# KiCad board toomanykeys_left_candidate.kicad_pcb
title: toomanykeys_left; date: 2025-06-08; rev: 0.1; company: huntercook
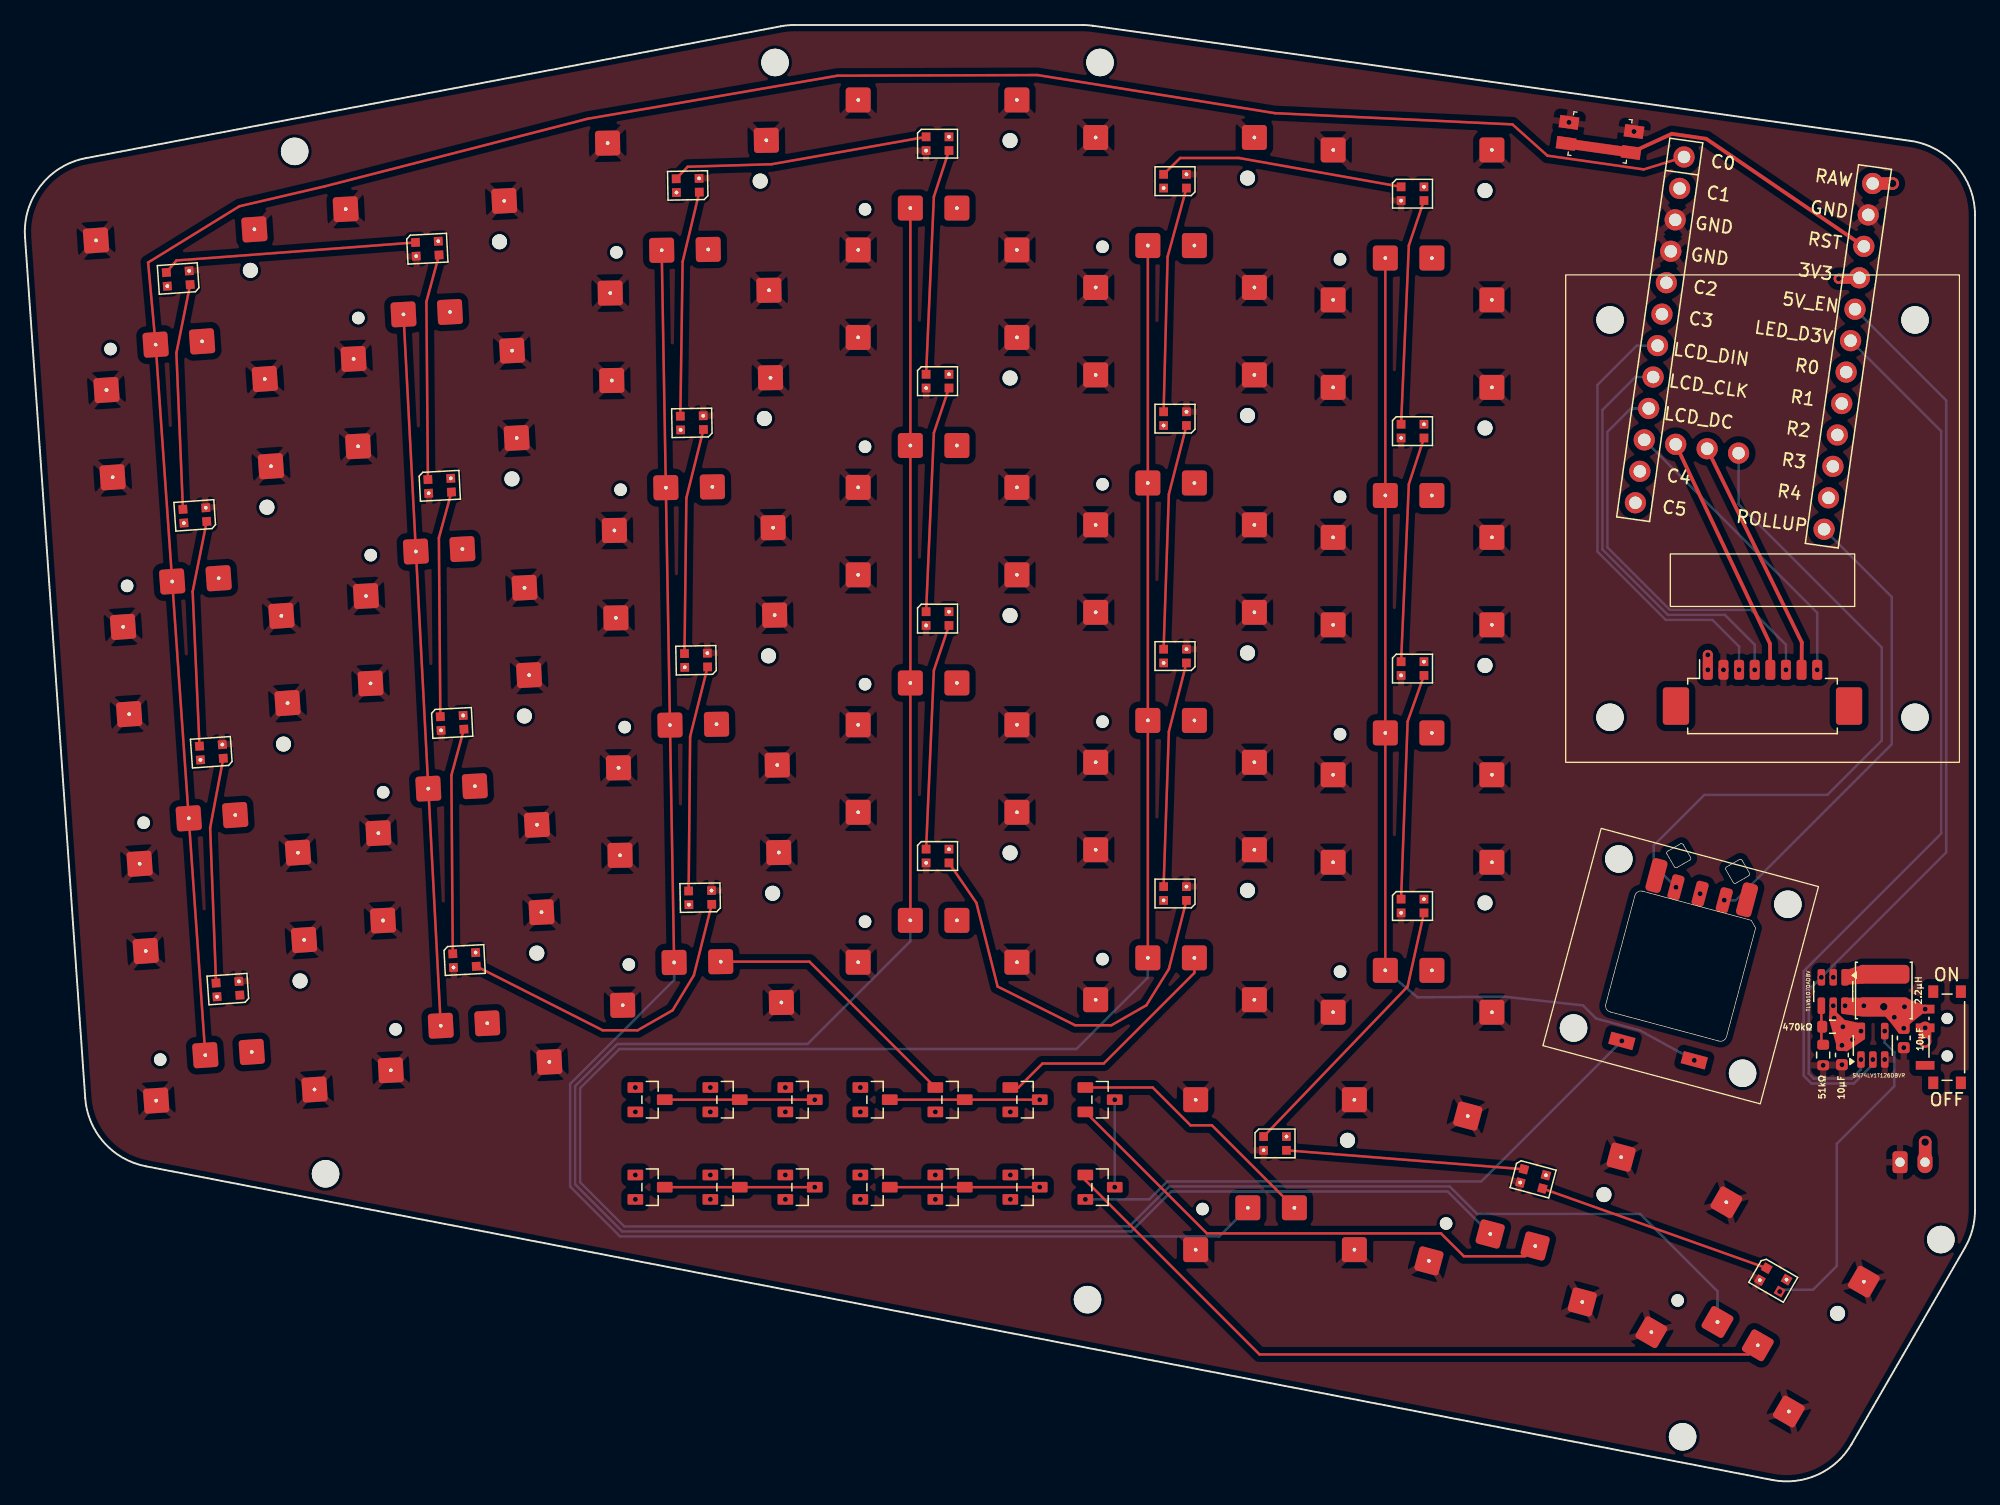
[diagram p0: board, top side]
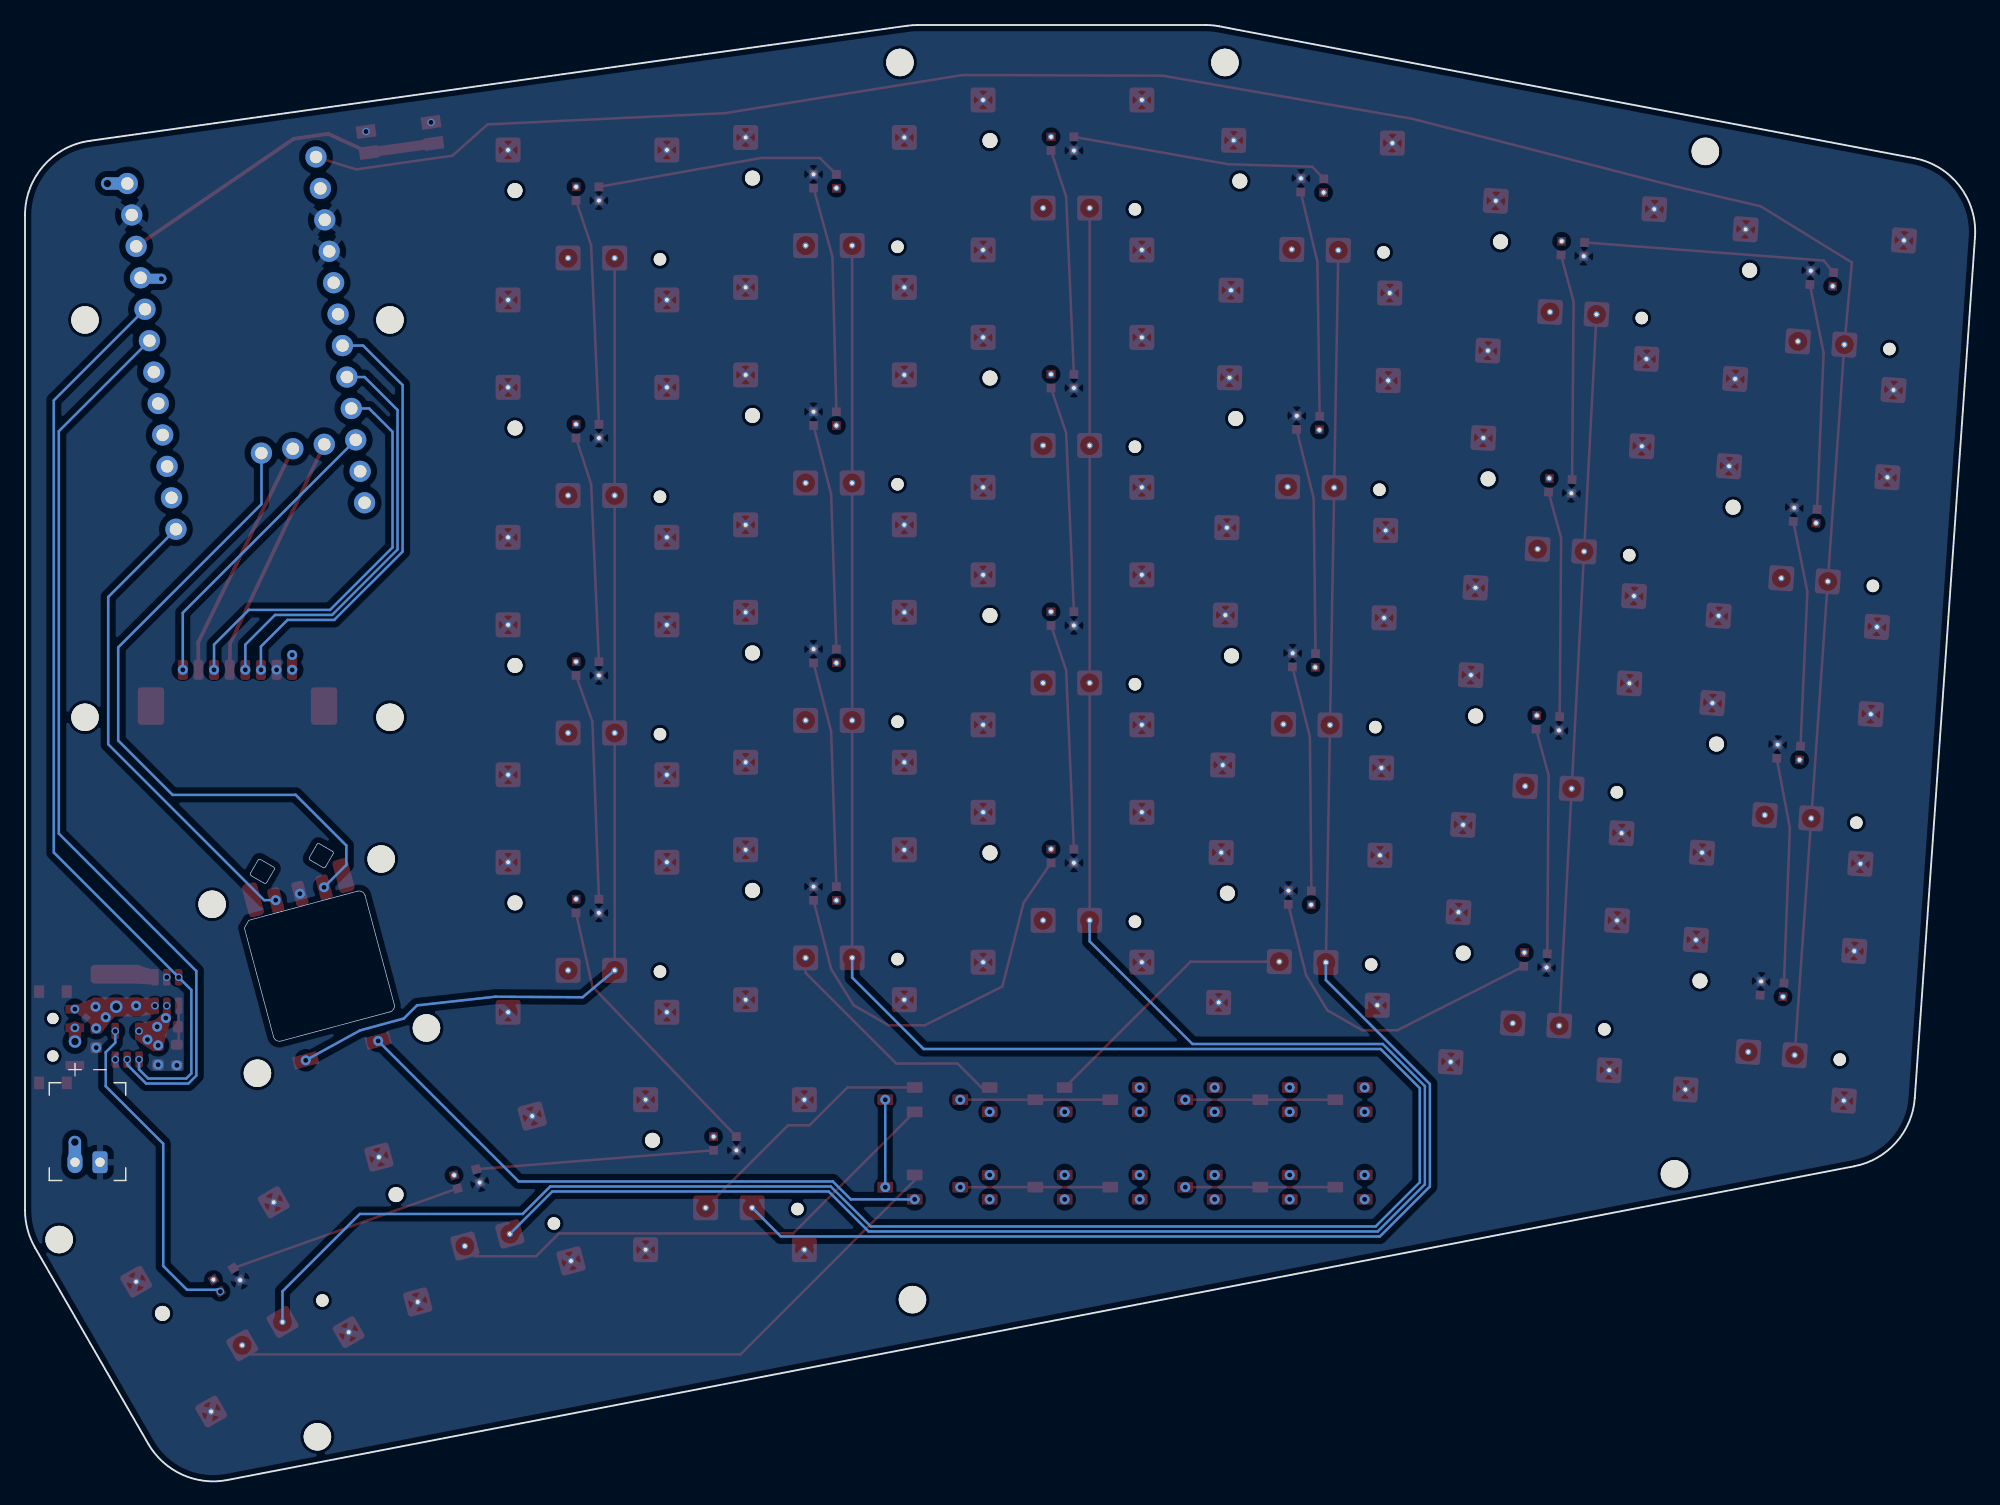
[diagram p1: board, bottom side, seen from below]

Outline 156.02 x 116.54 mm; copper layers: Top, In1.Cu, In2.Cu, In3.Cu, In4.Cu, Bottom. Coordinates in mm from the lower left corner of the outline.
Outline path: 0.01,99.57 arc(1.25,103.66) 4.88,105.89 60.47,116.44 arc(61.02,116.52) 61.58,116.54 84.6,116.54 arc(85.02,116.53) 85.44,116.48 150.86,107.27 arc(154.55,105.26) 156.02,101.33 156.02,21.7 arc(155.82,20.15) 155.22,18.7 146.16,3 arc(143.45,0.54) 139.82,0.11 9.68,25.21 arc(6.33,27.13) 4.83,30.69 0.01,99.57
Stack: Top 0.035mm / dielectric 0.1mm FR4 er 4.5 / In1.Cu 0.035mm / dielectric 0.535mm FR4 er 4.5 / In2.Cu 0.035mm / dielectric 0.1mm FR4 er 4.5 / In3.Cu 0.035mm / dielectric 0.535mm FR4 er 4.5 / In4.Cu 0.035mm / dielectric 0.1mm FR4 er 4.5 / Bottom 0.035mm

## Placement (name value [footprint] x y rotation side)
C1  10μF  [C_0603_1608Metric]  150.32 35.48 270 top
C2  10μF  [C_0603_1608Metric]  145.37 34.12 270 top
CONN1  LCD HEADER  [Molex_PicoBlade_53261-0871_1x08-1MP_P1.25mm_Horizontal]  139.02 62.54 0 top
D1  BAV70  [BAV70 SOT23]  68.02 30.54 270 top
D2  BAV70  [BAV70 SOT23]  50.02 30.54 270 top
D3  BAV70  [BAV70 SOT23]  68.02 23.54 270 top
D4  BAV70  [BAV70 SOT23]  50.02 23.54 270 top
D5  BAV70  [BAV70 SOT23]  74.02 30.54 270 top
D6  BAV70  [BAV70 SOT23]  56.02 30.54 270 top
D7  BAV70  [BAV70 SOT23]  74.02 23.54 270 top
D8  BAV70  [BAV70 SOT23]  56.02 23.54 270 top
D9  BAV70  [BAV70 SOT23]  80.02 30.54 270 top
D10  BAV70  [BAV70 SOT23]  62.02 30.54 270 top
D11  BAV70  [BAV70 SOT23]  80.02 23.54 270 top
D12  BAV70  [BAV70 SOT23]  62.02 23.54 270 top
D13  BAV70  [BAV70 SOT23]  86.02 30.54 270 top
D14  BAV70  [BAV70 SOT23]  86.02 23.54 270 top
JST1  Battery Connector  [battery_connector_jst_ph_2]  151.02 25.54 180 bottom
L1  2.2μH  [L_CJIANG_FTC404030S_4.1x4.1x3.0_SMD]  148.72 39.28 90 top
LCD1  -  [LCD_1.69_Waveshare]  139.02 77.04 180 top
LED1  Outer Bottom  [LED_WS2812B-2020_PLCC4_2.0x2.0mm]  16.25 39.39 184 top
LED2  WS2812B-2020  [LED_WS2812B-2020_PLCC4_2.0x2.0mm]  14.93 58.35 184 top
LED3  WS2812B-2020  [LED_WS2812B-2020_PLCC4_2.0x2.0mm]  13.6 77.3 184 top
LED4  Outer Top  [LED_WS2812B-2020_PLCC4_2.0x2.0mm]  12.28 96.25 184 top
LED5  WS2812B-2020  [LED_WS2812B-2020_PLCC4_2.0x2.0mm]  54.03 46.71 181 top
LED6  WS2812B-2020  [LED_WS2812B-2020_PLCC4_2.0x2.0mm]  53.7 65.71 181 top
LED7  WS2812B-2020  [LED_WS2812B-2020_PLCC4_2.0x2.0mm]  53.37 84.7 181 top
LED8  WS2812B-2020  [LED_WS2812B-2020_PLCC4_2.0x2.0mm]  53.04 103.7 181 top
LED9  WS2812B-2020  [LED_WS2812B-2020_PLCC4_2.0x2.0mm]  92.02 47.04 180 top
LED10  WS2812B-2020  [LED_WS2812B-2020_PLCC4_2.0x2.0mm]  92.02 66.04 180 top
LED11  WS2812B-2020  [LED_WS2812B-2020_PLCC4_2.0x2.0mm]  92.02 85.04 180 top
LED12  WS2812B-2020  [LED_WS2812B-2020_PLCC4_2.0x2.0mm]  92.02 104.04 180 top
LED13  WS2812B-2020  [LED_WS2812B-2020_PLCC4_2.0x2.0mm#2]  35.18 41.72 3 top
LED14  WS2812B-2020  [LED_WS2812B-2020_PLCC4_2.0x2.0mm#2]  34.19 60.69 3 top
LED15  WS2812B-2020  [LED_WS2812B-2020_PLCC4_2.0x2.0mm#2]  33.19 79.67 3 top
LED16  WS2812B-2020  [LED_WS2812B-2020_PLCC4_2.0x2.0mm#2]  32.2 98.64 3 top
LED17  WS2812B-2020  [LED_WS2812B-2020_PLCC4_2.0x2.0mm]  73.02 50.04 0 top
LED18  WS2812B-2020  [LED_WS2812B-2020_PLCC4_2.0x2.0mm]  73.02 69.04 0 top
LED19  WS2812B-2020  [LED_WS2812B-2020_PLCC4_2.0x2.0mm]  73.02 88.04 0 top
LED20  WS2812B-2020  [LED_WS2812B-2020_PLCC4_2.0x2.0mm]  73.02 107.04 0 top
LED21  Inner Bottom  [LED_WS2812B-2020_PLCC4_2.0x2.0mm]  111.02 46.04 0 top
LED22  WS2812B-2020  [LED_WS2812B-2020_PLCC4_2.0x2.0mm]  111.02 65.04 0 top
LED23  WS2812B-2020  [LED_WS2812B-2020_PLCC4_2.0x2.0mm]  111.02 84.04 0 top
LED24  Inner Top  [LED_WS2812B-2020_PLCC4_2.0x2.0mm]  111.02 103.04 0 top
LED25  WS2812B-2020  [LED_WS2812B-2020_PLCC4_2.0x2.0mm]  100.02 27.04 0 top
LED26  WS2812B-2020  [LED_WS2812B-2020_PLCC4_2.0x2.0mm]  120.67 24.21 345 top
LED27  Outer Thumb  [LED_WS2812B-2020_PLCC4_2.0x2.0mm#3]  139.88 16.12 330 top
MCU1  nice_nano  [mcu_nice_nano]  138.52 92.34 352 top
MH1  -  [mounting_hole_npth]  21.59 106.43 4 top
MH2  -  [mounting_hole_npth]  24.06 24.61 3 top
MH3  -  [mounting_hole_npth]  60.02 113.54 0 top
MH4  -  [mounting_hole_npth]  86.02 113.54 0 top
MH5  -  [mounting_hole_npth]  85.02 14.54 0 top
MH6  -  [mounting_hole_npth]  132.63 3.57 330 top
MH7  -  [mounting_hole_npth]  153.29 19.35 330 top
PWR1  Power SW  [power_switch_smd_side]  153.76 35.54 0 top
R1  470kΩ  [R_0603_1608Metric]  144.62 36.38 180 top
R2  51kΩ  [R_0603_1608Metric]  143.87 34.12 270 top
RE1  -  [CKW12]  132.48 41.23 75 top
RST1  Reset SW  [reset_switch_smd_side]  126.02 107.54 352 top
S1  PG1316S  [PG1316S#3]  16.43 36.9 4 top
S2  PG1316S  [PG1316S#3]  15.1 55.85 4 top
S3  PG1316S  [PG1316S#3]  13.78 74.81 4 top
S4  PG1316S  [PG1316S#3]  12.45 93.76 4 top
S5  PG1316S  [PG1316S#2]  35.31 39.22 3 top
S6  PG1316S  [PG1316S#2]  34.32 58.2 3 top
S7  PG1316S  [PG1316S#2]  33.32 77.17 3 top
S8  PG1316S  [PG1316S#2]  32.33 96.14 3 top
S9  PG1316S  [PG1316S#2]  54.08 44.21 1 top
S10  PG1316S  [PG1316S#2]  53.74 63.21 1 top
S11  PG1316S  [PG1316S#2]  53.41 82.21 1 top
S12  PG1316S  [PG1316S#2]  53.08 101.2 1 top
S13  -  [PG1316S]  73.02 47.54 0 top
S14  -  [PG1316S]  73.02 66.54 0 top
S15  -  [PG1316S]  73.02 85.54 0 top
S16  -  [PG1316S]  73.02 104.54 0 top
S17  -  [PG1316S]  92.02 44.54 0 top
S18  -  [PG1316S]  92.02 63.54 0 top
S19  -  [PG1316S]  92.02 82.54 0 top
S20  -  [PG1316S]  92.02 101.54 0 top
S21  -  [PG1316S]  111.02 43.54 0 top
S22  -  [PG1316S]  111.02 62.54 0 top
S23  -  [PG1316S]  111.02 81.54 0 top
S24  -  [PG1316S]  111.02 100.54 0 top
S25  -  [PG1316S]  100.02 24.54 0 top
S26  PG1316S  [PG1316S#2]  120.02 21.79 345 top
S27  PG1316S  [PG1316S#4]  138.63 13.96 330 top
U1  TLV61070ADBV  [SOT-23-6]  144.68 39.2 270 top
U2  SN74LV1T126DBVR  [SOT-23-5]  147.85 34.89 90 top

## Library data of the parts
C1 C2 = -: Description: Unpolarized capacitor; ki_fp_filters: C_*
CONN1 = -: Description: Generic connector, single row, 01x08, script generated; ki_fp_filters: Connector*:*_1x??_*
D1-D14 = -: Datasheet: https://assets.nexperia.com/documents/data-sheet/BAV70_SER.pdf; Description: Dual 100V 215mA high-speed switching diodes, common cathode, SOT-23; ki_fp_filters: SOT?23*
JST1 = -: Description: Generic connector, single row, 01x02, script generated; ki_fp_filters: Connector*:*_1x??_*
L1 = -: Description: Inductor; ki_fp_filters: Choke_* *Coil* Inductor_* L_*
LED1-LED27 = -: Datasheet: https://cdn-shop.adafruit.com/product-files/4684/4684_WS2812B-2020_V1.3_EN.pdf; Description: RGB LED with integrated controller, 2.0 x 2.0 mm, 12 mA; ki_fp_filters: LED*WS2812*-2020_PLCC4*
MCU1 = -: Datasheet: https://nicekeyboards.com/docs/nice-nano/pinout-schematic; Description: Symbol for an nicekeyboards nice!nano
PWR1 = -: Description: Switch, single pole double throw
R1 R2 = -: Description: Resistor; ki_fp_filters: R_*
RE1 = -: Description: Rotary encoder, dual channel, incremental quadrate outputs, with switch; ki_fp_filters: RotaryEncoder*Switch*
RST1 = -: Description: Push button switch, generic, symbol, four pins
S1-S27 = -: Description: Kailh PG1316S ultra-low-profile keyswitch
U1 = -: Datasheet: https://www.ti.com/lit/ds/symlink/tlv61070a.pdf; Description: Boost Converter, 2.5A switch current limit, 2.2-5.5V Output Voltage, 0.5-5.5V Input Voltage, SOT-23-6; ki_fp_filters: SOT?23*
U2 = -: Datasheet: http://www.ti.com/lit/ds/symlink/sn74lvc1g125.pdf; Description: Single Buffer Gate Tri-State, Low-Voltage CMOS, SOT-23-5; ki_fp_filters: SOT?23*

## Footprints (pads in the part's own frame, mm; a bottom-side part is the same pattern mirrored in y, then rotated)
battery_connector_jst_ph_2
  rrect 1.2x1.75 hole 0.75: 1(1,0)
  oval 1.2x1.75 hole 0.75: 2(-1,0)
BAV70 SOT23
  rrect 0.85x1.25 smd: 1(-0.975,-1.175) 2(0.975,-1.175) 3(0,1.175)
C_0603_1608Metric
  rrect 0.9x0.95 smd: 1(-0.775,0) 2(0.775,0)
CKW12
  round 2.2 hole 2.2 unplated: (-7,7) (-7,-7) (7,7) (7,-7)
  rrect 2.7x1.25 smd: (6.5,3.75) (6.5,-3.75)
  rrect 2x1 smd: A(6,-2) B(6,0) C(6,2)
  rect 1x2 smd: S1(-7,-3) S2(-7,3)
L_CJIANG_FTC404030S_4.1x4.1x3.0_SMD
  rrect 1.5x4.1 smd: 1(-1.3,0) 2(1.3,0)
LCD_1.69_Waveshare
  round 2.2 hole 2.2 unplated: (-12.2,-15.9) (-12.2,15.9) (12.2,-15.9) (12.2,15.9)
LED_WS2812B-2020_PLCC4_2.0x2.0mm
  rect 0.7x0.7 smd: 1(-0.915,0.55) 2(-0.915,-0.55) 3(0.915,-0.55) 4(0.915,0.55)
  round 0.5 hole 0.3: 2(-0.915,-0.55) 4(0.915,0.55)
LED_WS2812B-2020_PLCC4_2.0x2.0mm#2
  rect 0.7x0.7 smd: 1(-0.915,0.55) 2(-0.915,-0.55) 3(0.915,-0.55) 4(0.915,0.55)
  round 0.5 hole 0.3: 2(-0.915,-0.55) 4(0.915,0.55)
LED_WS2812B-2020_PLCC4_2.0x2.0mm#3
  rect 0.7x0.7 smd: 1(-0.915,0.55) 2(-0.915,-0.55) 3(0.915,-0.55) 4(0.915,0.55)
  round 0.5 hole 0.3: 2(-0.915,-0.55) 4(0.915,0.55)
mcu_nice_nano
  round 1.7 hole 1: 1(7.62,12.7) 2(7.62,10.16) 3(7.62,7.62) 4(7.62,5.08) 5(7.62,2.54) 6(7.62,0) 7(7.62,-2.54) 8(7.62,-5.08) 9(7.62,-7.62) 10(7.62,-10.16) 11(7.62,-12.7) 12(7.62,-15.24) 13(-7.62,-15.24) 14(-7.62,-12.7) 15(-7.62,-10.16) 16(-7.62,-7.62) 17(-7.62,-5.08) 18(-7.62,-2.54) 19(-7.62,0) 20(-7.62,2.54) 21(-7.62,5.08) 22(-7.62,7.62) 23(-7.62,10.16) 24(-7.62,12.7) 25(-5.08,-10.16) 26(-2.54,-10.16) 27(0,-10.16)
Molex_PicoBlade_53261-0871_1x08-1MP_P1.25mm_Horizontal
  rrect 0.8x1.6 smd: 1(-4.375,2.4) 2(-3.125,2.4) 3(-1.875,2.4) 4(-0.625,2.4) 5(0.625,2.4) 6(1.875,2.4) 7(3.125,2.4) 8(4.375,2.4)
  rrect 2.1x3 smd: MP(-6.925,-0.5) MP(6.925,-0.5)
mounting_hole_npth
  round 2.2 hole 2.2 unplated: (0,0)
PG1316S
  round 1 hole 1 unplated: (-5.8,-2.75)
  round 1.2 hole 1.2 unplated: (5.8,2.75)
  round 0.5 hole 0.3: 1(-2.175,-2.65) 2(1.55,-2.65) 3(-6.35,6) 3(-6.35,-6) 3(6.35,6) 3(6.35,-6)
  rrect 2x2 smd: 1(-2.175,-2.65) 2(1.55,-2.65) 3(-6.35,6) 3(-6.35,-6) 3(6.35,6) 3(6.35,-6)
PG1316S#2
  round 1 hole 1 unplated: (-5.8,-2.75)
  round 1.2 hole 1.2 unplated: (5.8,2.75)
  round 0.5 hole 0.3: 1(-2.175,-2.65) 2(1.55,-2.65) 3(-6.35,-6) 3(-6.35,6) 3(6.35,-6) 3(6.35,6)
  rrect 2x2 smd: 1(-2.175,-2.65) 2(1.55,-2.65) 3(-6.35,-6) 3(-6.35,6) 3(6.35,-6) 3(6.35,6)
PG1316S#3
  round 1 hole 1 unplated: (-5.8,-2.75)
  round 1.2 hole 1.2 unplated: (5.8,2.75)
  round 0.5 hole 0.3: 1(-2.175,-2.65) 2(1.55,-2.65) 3(-6.35,-6) 3(-6.35,6) 3(6.35,-6) 3(6.35,6)
  rrect 2x2 smd: 1(-2.175,-2.65) 2(1.55,-2.65) 3(-6.35,-6) 3(-6.35,6) 3(6.35,-6) 3(6.35,6)
PG1316S#4
  round 1 hole 1 unplated: (-5.8,-2.75)
  round 1.2 hole 1.2 unplated: (5.8,2.75)
  round 0.5 hole 0.3: 1(-2.175,-2.65) 2(1.55,-2.65) 3(-6.35,6) 3(-6.35,-6) 3(6.35,6) 3(6.35,-6)
  rrect 2x2 smd: 1(-2.175,-2.65) 2(1.55,-2.65) 3(-6.35,6) 3(-6.35,-6) 3(6.35,6) 3(6.35,-6)
power_switch_smd_side
  rect 0.8x1 smd: (-1.085,3.65) (-1.085,-3.65) (1.125,3.65) (1.125,-3.65)
  round 0.9 hole 0.9 unplated: (0.025,1.5) (0.025,-1.5)
  rect 1.5x0.7 smd: 1(-1.735,-2.25) 2(-1.735,0.75) 3(-1.735,2.25)
R_0603_1608Metric
  rrect 0.8x0.95 smd: 1(-0.825,0) 2(0.825,0)
reset_switch_smd_side
  rect 1.55x1 smd: 1(2.625,0.85) 2(2.625,-0.85) 3(-2.625,0.85) 4(-2.625,-0.85)
SOT-23-5
  rrect 1.325x0.6 smd: 1(-1.137,0.95) 2(-1.137,0) 3(-1.138,-0.95) 4(1.137,-0.95) 5(1.138,0.95)
SOT-23-6
  rrect 1.325x0.6 smd: 1(-1.137,0.95) 2(-1.137,0) 3(-1.138,-0.95) 4(1.137,-0.95) 5(1.137,0) 6(1.138,0.95)

## Nets
3V3: CONN1.1 MCU1.4
5V: C2.1 LED1.4 LED2.4 LED3.4 LED4.4 LED5.4 LED6.4 LED7.4 LED8.4 LED9.4 LED10.4 LED11.4 LED12.4 LED13.4 LED14.4 LED15.4 LED16.4 LED17.4 LED18.4 LED19.4 LED20.4 LED21.4 LED22.4 LED23.4 LED24.4 LED25.4 LED26.4 LED27.4 R1.1 U1.5 U2.5
5V_EN: MCU1.5 U1.3 U2.1
GND: C1.2 C2.2 CONN1.2 JST1.1 LED1.2 LED2.2 LED3.2 LED4.2 LED5.2 LED6.2 LED7.2 LED8.2 LED9.2 LED10.2 LED11.2 LED12.2 LED13.2 LED14.2 LED15.2 LED16.2 LED17.2 LED18.2 LED19.2 LED20.2 LED21.2 LED22.2 LED23.2 LED24.2 LED25.2 LED26.2 LED27.2 MCU1.2 MCU1.21 MCU1.22 R2.2 RE1.B RST1.1 RST1.3 S1.3 S2.3 S3.3 S4.3 S5.3 S6.3 S7.3 S8.3 S9.3 S10.3 S11.3 S12.3 S13.3 S14.3 S15.3 S16.3 S17.3 S18.3 S19.3 S20.3 S21.3 S22.3 S23.3 S24.3 S25.3 S26.3 S27.3 U1.2 U2.3
/BAT_P: JST1.2 PWR1.2
/far_fan: D14.1 S27.2
/index_bottom: D9.1 S17.2
/index_home: D10.1 S18.2
/index_num: D12.1 S20.2
/index_top: D11.1 S19.2
/inner_bottom: D9.2 S21.2
/inner_home: D10.2 S22.2
/inner_num: D12.2 S24.2
/inner_top: D11.2 S23.2
/LED_1: LED26.3 LED27.1
/LED_2: LED25.3 LED26.1
/LED_3: LED21.3 LED25.1
/LED_4: LED21.1 LED22.3
/LED_5: LED22.1 LED23.3
/LED_6: LED23.1 LED24.3
/LED_7: LED12.3 LED24.1
/LED_8: LED11.3 LED12.1
/LED_9: LED10.3 LED11.1
/LED_10: LED9.3 LED10.1
/LED_11: LED9.1 LED17.3
/LED_12: LED17.1 LED18.3
/LED_13: LED18.1 LED19.3
/LED_14: LED19.1 LED20.3
/LED_15: LED8.3 LED20.1
/LED_16: LED7.3 LED8.1
/LED_17: LED6.3 LED7.1
/LED_18: LED5.3 LED6.1
/LED_19: LED5.1 LED13.3
/LED_20: LED13.1 LED14.3
/LED_21: LED14.1 LED15.3
/LED_22: LED15.1 LED16.3
/LED_23: LED4.3 LED16.1
/LED_24: LED3.3 LED4.1
/LED_25: LED2.3 LED3.1
/LED_26: LED1.3 LED2.1
/LED_27: LED1.1
/LED_D5V: LED27.3 U2.4
/mid_fan: D13.2 S26.2
/middle_bottom: D5.2 S13.2
/middle_home: D6.2 S14.2
/middle_num: D8.2 S16.2
/middle_top: D7.2 S15.2
/near_fan: D13.1 S25.2
/outer_bottom: D1.1 S1.2
/outer_home: D2.1 S2.2
/outer_num: D4.1 S4.2
/outer_top: D3.1 S3.2
/pinky_bottom: D1.2 S5.2
/pinky_home: D2.2 S6.2
/pinky_num: D4.2 S8.2
/pinky_top: D3.2 S7.2
/ring_bottom: D5.1 S9.2
/ring_home: D6.1 S10.2
/ring_num: D8.1 S12.2
/ring_top: D7.1 S11.2
/roller: D14.2 RE1.S2
/RST: MCU1.3 RST1.2 RST1.4
BOOST_FB: R1.2 R2.1 U1.4
BOOST_SW: L1.2 U1.1
C0: MCU1.24 S1.1 S2.1 S3.1 S4.1
C1: MCU1.23 S5.1 S6.1 S7.1 S8.1
C2: MCU1.20 S9.1 S10.1 S11.1 S12.1 S25.1
C3: MCU1.19 S13.1 S14.1 S15.1 S16.1 S26.1
C4: MCU1.14 S17.1 S18.1 S19.1 S20.1 S27.1
C5: MCU1.13 RE1.S1 S21.1 S22.1 S23.1 S24.1
LCD_BL: CONN1.8 MCU1.15
LCD_CLK: CONN1.4 MCU1.17
LCD_CS: CONN1.5 MCU1.25
LCD_DC: CONN1.6 MCU1.16
LCD_DIN: CONN1.3 MCU1.18
LCD_RST: CONN1.7 MCU1.26
LED_D3V: MCU1.6 U2.2
R0: D4.3 D8.3 D12.3 MCU1.7
R1: D3.3 D7.3 D11.3 MCU1.8
R2: D2.3 D6.3 D10.3 MCU1.9
R3: D1.3 D5.3 D9.3 MCU1.10
R4: D13.3 D14.3 MCU1.11
RAW: C1.1 L1.1 MCU1.1 PWR1.3 U1.6
ROLLDN: MCU1.27 RE1.C
ROLLUP: MCU1.12 RE1.A

Pads without a net: CONN1 MP; PWR1 1

## Via types
v1: diameter 0.7, hole 0.4, Top to Bottom, 2 vias
v2: diameter 0.6, hole 0.4, Top to Bottom, 12 vias
v3: diameter 1, hole 0.6, Top to Bottom, 4 vias
v4: diameter 0.8, hole 0.4, Top to Bottom, 53 vias

## Routing (per net, layer and track width the routed paths; a pad name or vN(x,y) marks a point on that pad's centre or on a via; arc(x,y) is an arc through that point)
3V3: length 80.4
  Top w0.8: v4(145.11,96.24) 146.7,96.24 MCU1.4 ; v4(134.64,66.14) v4(134.64,64.94)
  In2.Cu w0.8: v4(134.64,64.94) v4(134.64,66.14) 134.64,76.17 141.16,82.69 141.16,93.29 144.11,96.24 v4(145.11,96.24) 146.7,96.24 MCU1.4
  In3.Cu w0.8: MCU1.4 146.7,96.24 v4(145.11,96.24) 144.11,96.24 141.16,93.29 141.16,82.69 134.64,76.17 v4(134.64,64.94)
  Bottom w0.8: v4(145.11,96.24) 146.7,96.24 MCU1.4
5V: length 4
  In2.Cu w1: v2(146.9,36.03) v4(146.22,35.36) 145.76,34.89 v4(145.37,34.89) ; 144.63,38.06 144.63,37.2 v4(144.75,37.08) v4(145.45,36.38)
  vias: v2(144.68,38.06)
5V_EN: length 74.2
  Bottom w0.2: v2(146.9,33.76) 146.9,32.97 146.16,32.24 143.11,32.24 142.71,32.64 142.71,39.32 v2(143.73,40.34) 153.71,50.32 153.71,86.5 MCU1.5
GND:
  vias: v2(123.54,108.75) v2(128.74,108.02) v2(144.68,40.34) v2(148.8,33.76) v4(134.03,47.03) v4(135.89,64.94) v4(143.87,33.29) v4(145.37,33.34) v4(150.32,34.71)
/BAT_P: length 25.8
  Top w1: v3(152.02,35.2) 152.02,36.28 v1(152.03,36.29) ; v3(152.03,27.15) 152.03,25.55 JST1.2
  In2.Cu w1: JST1.2 152.03,25.55 v3(152.03,27.15) v1(152.03,36.29)
  In3.Cu w1: JST1.2 v3(152.02,35.2) 152.02,36.28 v1(152.03,36.29)
  Bottom w1: JST1.2 152.03,25.55 v3(152.03,27.15)
/far_fan: length 60.3
  Top w0.2: D14.1 84.84,24.09 98.78,10.16 137.91,10.16 S27.2
/index_bottom: length 19.7
  Top w0.2: S17.2 93.57,40.69 86.31,33.44 81.41,33.44 79.49,31.52 D9.1
/index_home: length 183
  In3.Cu w0.2: S18.2 86.43,68.04 83.1,68.04 80.2,70.94 42.28,70.94 38.93,67.59 9.98,67.59 6.08,63.69 8.15,34.1 13.35,28.9 25.95,29.78 30.42,25.89 55.22,25.89 v4(60.84,31.52)
/index_num: length 225.3
  In3.Cu w0.2: S20.2 86.56,105.9 84.46,105.9 81.46,108.9 63.59,108.9 60.49,105.8 45.99,105.8 40.99,100.8 27.39,100.8 25.09,98.5 9.73,98.5 7.79,98.5 7.36,98.07 2.61,93.32 1.9,92.61 1.67,92.33 3.65,64 5.6,36.07 5.97,30.84 11.15,26.33 17.47,26.77 25.12,27.31 26.95,25.71 30.82,22.35 51.71,18.33 v4(60.84,24.52)
/index_top: length 228.7
  In2.Cu w0.2: S19.2 86.5,86.96 84.56,86.96 81.56,89.96 41.2,89.96 38.1,86.86 8.9,86.86 2.49,80.46 2.49,80.46 2.8,76.14 4.39,53.39 5.96,30.86 11.16,26.35 25.12,27.32 30.82,22.37 65.74,15.64 v4(78.84,24.52)
/inner_bottom: length 38.4
  In2.Cu w0.2: S21.2 108.11,36.44 85.71,36.44 v4(78.84,29.57)
/inner_home: length 204.3
  In3.Cu w0.2: v4(60.84,29.57) 60.84,29.42 56.91,25.49 30.27,25.49 25.81,29.37 11.84,28.39 7.91,31.81 5.67,63.84 9.81,67.99 38.76,67.99 42.11,71.34 80.36,71.34 83.26,68.44 99.36,68.44 100.51,67.29 105.18,67.29 S22.2
/inner_num: length 245.9
  In3.Cu w0.2: S24.2 105.26,105.2 102.13,105.2 101.03,106.3 84.63,106.3 81.63,109.3 63.43,109.3 60.33,106.2 45.83,106.2 40.83,101.2 37.43,101.2 27.23,101.2 24.93,98.9 7.63,98.9 1.25,92.52 5.58,30.65 11.02,25.92 24.98,26.9 30.64,21.98 53.48,17.58 v4(60.84,22.57)
/inner_top: length 249.3
  In2.Cu w0.2: S23.2 105,86.47 100.33,86.47 99.43,87.37 84.73,87.37 81.73,90.37 41.03,90.37 37.93,87.27 8.73,87.27 2.08,80.62 2.11,80.25 2.11,80.25 5.57,30.67 11.02,25.94 24.98,26.91 30.64,22 67.51,14.9 v4(78.84,22.57)
/LED_1: length 19.1
  Top w0.2: LED27.1 LED26.3
/LED_2: length 19.1
  Top w0.2: LED26.1 LED25.3
/LED_3: length 22.7
  Top w0.2: LED25.1 110.63,39.6 LED21.3
/LED_4: length 18.1
  Top w0.2: LED21.1 110.63,60.8 LED22.3
/LED_5: length 18.1
  Top w0.2: LED22.1 110.73,79.8 LED23.3
/LED_6: length 18.1
  Top w0.2: LED23.1 110.73,98.9 LED24.3
/LED_7: length 19.7
  Top w0.2: LED24.1 97.13,105.9 92.43,105.9 LED12.3
/LED_8: length 18.1
  Top w0.2: LED11.3 91.43,98 LED12.1
/LED_9: length 18.1
  Top w0.2: LED10.3 91.53,79 LED11.1
/LED_10: length 18.1
  Top w0.2: LED10.1 91.53,60 LED9.3
/LED_11: length 32.9
  Top w0.2: LED9.1 91.53,41 89.73,38.1 86.93,36.5 84.03,36.5 77.83,39.6 76.13,46.3 LED17.3
/LED_12: length 18.1
  Top w0.2: LED18.3 72.73,64.9 LED17.1
/LED_13: length 18.1
  Top w0.2: LED19.3 72.73,83.9 LED18.1
/LED_14: length 18.1
  Top w0.2: LED20.3 72.73,102.8 LED19.1
/LED_15: length 20.6
  Top w0.2: LED20.1 59.73,105.4 53.03,105.2 LED8.3
/LED_16: length 18.1
  Top w0.2: LED8.1 52.63,97.6 LED7.3
/LED_17: length 18.1
  Top w0.2: LED6.3 52.93,78.7 LED7.1
/LED_18: length 18.1
  Top w0.2: LED6.1 53.23,59.6 LED5.3
/LED_19: length 26.5
  Top w0.2: LED13.3 46.23,36.1 49.03,36.1 51.83,37.7 53.53,40.5 LED5.1
/LED_20: length 18.1
  Top w0.2: LED14.3 34.13,56.5 LED13.1
/LED_21: length 18.1
  Top w0.2: LED15.3 33.13,75.5 LED14.1
/LED_22: length 18.1
  Top w0.2: LED15.1 32.13,94.4 LED16.3
/LED_23: length 20.4
  Top w0.2: LED16.1 12.13,97.7 LED4.3
/LED_24: length 18.1
  Top w0.2: LED3.3 12.13,90.3 LED4.1
/LED_25: length 18.1
  Top w0.2: LED2.3 13.43,71.2 LED3.1
/LED_26: length 18.1
  Top w0.2: LED2.1 14.83,52.3 LED1.3
/LED_D5V: length 26.4
  Bottom w0.2: v2(148.8,36.03) 148.8,35.1 149.56,34.34 149.56,31.62 144.96,27.02 144.96,17.24 143.06,15.34 140.54,15.34 v2(140.39,15.19)
/mid_fan: length 41.1
  Top w0.2: D13.2 94.57,19.84 113.3,19.84 115.12,18.01 120.01,18.01 S26.2
/middle_bottom: length 16
  In2.Cu w0.2: v4(72.84,29.57) 72.84,30.09 74.57,31.81 S13.2
/middle_home: length 154.9
  In3.Cu w0.2: v4(54.84,29.57) 51.57,26.29 30.57,26.29 26.08,30.19 13.51,29.31 8.54,34.28 6.49,63.53 10.15,67.18 39.1,67.18 42.45,70.53 68.93,70.53 74.57,64.89 S14.2
/middle_num: length 196.7
  In3.Cu w0.2: S16.2 67.96,108.5 63.76,108.5 60.66,105.4 46.16,105.4 41.16,100.4 27.56,100.4 25.26,98.1 20.43,98.1 7.96,98.1 3.19,93.33 2.2,92.34 2.08,92.2 2.46,86.77 6.09,34.8 6.35,31.04 11.29,26.74 25.26,27.72 28.07,25.28 31,22.73 31.93,22.55 49.75,19.12 v4(54.84,22.57)
/middle_top: length 200.1
  In2.Cu w0.2: v4(72.84,22.57) 63.78,16.43 31,22.74 25.26,27.74 11.29,26.76 6.35,31.06 2.91,80.31 9.06,86.46 38.26,86.46 41.36,89.56 43.13,89.56 67.9,89.56 S15.2
/near_fan: length 20.7
  Top w0.2: D13.1 90.23,31.52 93.26,28.49 94.97,28.49 S25.2
/outer_bottom: length 54.3
  In2.Cu w0.2: v4(66.84,31.52) 61.52,26.19 30.51,26.19 22.34,34.36 S1.2
/outer_home: length 42.5
  In3.Cu w0.2: v4(48.84,31.52) 36.18,31.52 16.83,50.87 S2.2
/outer_num: length 109.3
  In3.Cu w0.2: S4.2 4.16,79.69 7.52,31.62 11.7,27.98 25.67,28.95 31.55,23.85 44.24,21.4 v4(48.84,24.52)
/outer_top: length 109.4
  In2.Cu w0.2: v4(66.84,24.52) 58.28,18.72 31.55,23.86 25.67,28.97 11.71,27.99 7.52,31.64 6.7,43.28 5.82,55.85 5.48,60.74 S3.2
/pinky_bottom: length 78.6
  In2.Cu w0.2: S5.2 36.02,37.64 19.11,37.64 16.61,35.14 16.61,33.19 20.76,29.04 20.85,29.04 25.81,29.38 29.95,25.79 63.06,25.79 v4(66.84,29.57)
/pinky_home: length 80.1
  In3.Cu w0.2: v4(48.84,29.57) 46.37,27.09 30.87,27.09 25.38,32.59 17.86,32.59 13.36,37.09 13.36,51.49 16.56,54.69 26.06,54.69 27.86,56.49 35.15,56.49 S6.2
/pinky_num: length 139.2
  In3.Cu w0.2: v4(48.84,22.57) 46.02,20.65 31.37,23.47 30.28,24.41 25.53,28.54 11.57,27.57 7.13,31.42 2.9,91.91 3.5,92.5 23.23,92.5 23.93,92.5 26.03,94.6 32.99,94.6 S8.2
/pinky_top: length 137.3
  In2.Cu w0.2: v4(66.84,22.57) 60.05,17.97 31.37,23.49 25.53,28.56 11.57,27.58 7.13,31.44 4.41,70.29 6.13,72.27 7.43,73.57 25.13,73.57 27.23,75.67 33.95,75.67 S7.2
/ring_bottom: length 21.3
  Top w0.2: D5.1 62.77,41.59 S9.2
/ring_home: length 131.1
  In3.Cu w0.2: S10.2 49.14,66.78 10.31,66.78 6.91,63.38 8.71,37.59 16.39,29.91 26.22,30.6 30.72,26.69 50.02,26.69 v4(54.84,31.52)
/ring_num: length 170.2
  In3.Cu w0.2: S12.2 53.46,99.8 46.73,99.8 41.93,95 25.86,95 23.76,92.9 23.13,92.9 3.33,92.9 2.49,92.06 2.49,92.06 2.53,91.45 3.14,82.79 6.67,32.22 6.74,31.23 11.43,27.15 25.39,28.13 31.18,23.1 47.98,19.87 v4(54.84,24.52)
/ring_top: length 178.2
  In2.Cu w0.2: v4(72.84,24.52) 62.01,17.18 31.19,23.12 25.4,28.15 11.43,27.17 6.74,31.25 3.32,80.15 7.48,84.31 9.23,86.06 48.53,86.06 S11.2
/roller: length 48.2
  Bottom w0.2: v4(84.84,22.57) 89.96,22.57 91.39,24 116.52,24 v4(127.77,35.25)
/RST: length 26.9
  Top w0.3: RST1.2 131.76,107.84 134.51,107.44 MCU1.3
  Top w0.8: RST1.4 RST1.2
BOOST_FB: length 3.2
  Top w0.2: U1.4 143.73,35.09 R2.1
C0: length 190.4
  Top w0.2: S1.1 S2.1 S3.1 S4.1 9.86,97.54 17.16,102.04 24.01,103.64 45.01,109.04 65.01,112.49 81.01,112.54 100.01,109.49 119.01,108.59 121.81,106.09 129.51,104.99 MCU1.24
C1: length 164
  Top w0.2: S5.1 S6.1 S7.1 S8.1
  In3.Cu w0.2: MCU1.23 130.09,103.46 119.11,92.49 31.19,92.49 S8.1
C2: length 222
  Top w0.2: S9.1 S10.1 S11.1 S12.1
  In3.Cu w0.2: S11.1 58.9,87.14 63.51,87.14 66.86,90.49 121.36,90.49 126.79,95.92 MCU1.20
  Bottom w0.2: S25.1 95.55,19.6 47.63,19.6 43.63,23.6 43.63,31.8 51.95,40.12 S9.1
C3: length 240.1
  Top w0.2: S13.1 S14.1 S15.1 S16.1
  In3.Cu w0.2: S15.1 71.89,83.94 77.71,83.94 83.86,90.09 126.61,90.09 129.93,93.4 MCU1.19
  Bottom w0.2: S13.1 70.84,43.22 62.63,35 47.39,35 44.03,31.63 44.03,23.77 47.79,20 88.53,20 91.73,23.2 113.83,23.2 S26.1
C4: length 254.6
  Top w0.2: S17.1 S18.1 S19.1 S20.1
  In3.Cu w0.2: MCU1.14 90.78,80.83 S19.1
  Bottom w0.2: S27.1 135.42,15.21 129.23,21.4 116.2,21.4 114,23.6 91.56,23.6 88.36,20.4 47.96,20.4 44.43,23.93 44.43,31.47 47.56,34.6 84.13,34.6 89.84,40.32 S17.1
C5: length 105.2
  Top w0.2: S24.1 S23.1 S22.1 S21.1
  In3.Cu w0.2: S23.1 110.38,80.43 126.74,80.43 MCU1.13
  Bottom w0.2: S21.1 111.41,38.74 118.36,38.79 124.66,38.09 125.71,37.04 129.21,36.09 v4(133.56,33.69)
LCD_BL: length 24.1
  Bottom w0.2: v4(143.39,64.94) 143.39,69.51 MCU1.15
LCD_CLK: length 33.7
  Bottom w0.2: v4(138.39,64.94) 138.39,66.95 136.01,69.34 131.45,69.34 126.21,74.57 126.21,85.74 128.85,88.37 MCU1.17
LCD_CS: length 19.7
  Top w0.3: CONN1.5 139.61,67.04 MCU1.25
LCD_DC: length 32.8
  Bottom w0.2: MCU1.16 128.48,85.86 126.61,83.99 126.61,74.74 131.61,69.74 138.11,69.74 140.89,66.95 v4(140.89,64.94)
LCD_DIN: length 35.8
  Bottom w0.2: MCU1.18 128.96,90.89 125.81,87.73 125.81,74.4 131.28,68.93 135.02,68.93 137.14,66.8 v4(137.14,64.94)
LCD_RST: length 19.4
  Top w0.3: CONN1.7 142.16,67.14 MCU1.26
LED_D3V: length 73.2
  Bottom w0.2: v2(147.85,33.76) 147.85,33.35 146.33,31.84 142.95,31.84 142.31,32.47 142.31,40.84 153.31,51.84 153.31,84.03 MCU1.6
R0: length 152.9
  Top w0.2: D4.3 v4(63.19,23.54)
  In3.Cu w0.2: v4(63.19,23.54) 66.59,26.94 88.01,26.94 92.61,31.54 116.86,31.54 119.86,34.54 119.86,48.07 125.93,54.14 144.51,54.14 149.36,58.99 149.36,86.49 147.08,88.77 MCU1.7
R1: length 132.7
  Top w0.2: D3.3 v4(81.19,23.54)
  In2.Cu w0.2: MCU1.8 147.15,86.25 149.36,84.04 149.36,58.99 144.51,54.13 125.95,54.13 119.87,48.05 119.87,34.54 116.86,31.54 92.61,31.54 84.62,23.54 v4(81.19,23.54)
R2: length 147.5
  Top w0.2: v4(63.19,30.54) 61.52,30.54 D2.3
  In3.Cu w0.2: v4(63.19,30.54) 66.4,27.34 87.85,27.34 92.45,31.94 116.7,31.94 119.46,34.7 119.46,48.24 125.76,54.54 144.35,54.54 148.96,59.15 148.96,81.69 146.91,83.74 MCU1.9
R3: length 126.1
  Top w0.2: D1.3 v4(81.19,30.54)
  In2.Cu w0.2: v4(81.19,30.54) 83.1,28.64 89.15,28.64 92.45,31.94 116.7,31.94 119.46,34.7 119.46,48.22 125.78,54.54 144.35,54.54 148.96,59.15 148.96,78.84 146.58,81.22 MCU1.10
R4: length 110.4
  In2.Cu w0.2: v4(87.19,30.54) 90.48,30.54 92.28,32.34 116.53,32.34 119.06,34.87 119.06,48.39 125.61,54.94 144.18,54.94 148.56,59.32 148.56,76.29 146.14,78.71 MCU1.11
  Bottom w0.2: v4(87.19,30.54) v4(87.19,23.54)
RAW: length 165.7
  Top w1: v3(149.43,103.86) MCU1.1
  In2.Cu w0.3: v3(148.72,37.98) v4(149.57,37.14) 150.32,36.38 v4(150.32,36.26) 150.49,36.26 v1(152.03,37.79) 151.84,37.98 v4(150.38,37.98) v3(148.72,37.98) ; v3(148.72,37.98) 148.64,38.06 v4(147.13,38.06) v2(145.63,38.06)
  In2.Cu w1: MCU1.1 v3(149.43,103.86) 150.92,103.86 154.83,99.95 154.83,43.8 152.03,41 ; 152.03,41 v1(152.03,37.79) ; 152.03,41 152.03,39.63 v4(150.38,37.98)
  In3.Cu w1: 152.03,41 154.83,43.8 154.83,99.95 150.92,103.86 MCU1.1 ; 152.03,41 152.03,39.63 v4(150.38,37.98) ; 152.03,41 152.03,39.5 152.03,39.5 v1(152.03,37.79)
  Bottom w1: v3(149.43,103.86) MCU1.1
ROLLDN: length 53.6
  Bottom w0.2: v4(132.1,47.54) 130.31,49.33 130.31,50.89 134.36,54.94 144.21,54.94 148.56,59.29 148.56,66.74 137.11,78.19 MCU1.27
ROLLUP: length 38
  Bottom w0.2: MCU1.12 149.36,70.77 149.36,58.99 136.89,46.51 v4(135.96,46.51)

## Copper pours and planes (outline as drawn; the poured copper is in the pictures)
5V on Top (solid shape): 144.48,37.6 144.43,37.05 144.98,35.1 145.73,34.5 147.13,35.45 147.13,36.6 146.68,36.6 145.55,36.84 144.74,37.6
5V on In2.Cu: 171.96,136.24 171.96,-13.76 -13.04,-13.76 -13.04,136.24
5V on In3.Cu: 171.96,-13.76 -13.04,-13.76 -13.04,136.24 171.96,136.24
GND on Top: 201.96,136.24 -13.04,136.24 -13.04,-13.76 201.96,-13.76
GND on Bottom: -13.04,-13.76 -13.04,136.24 171.96,136.24 171.96,-13.76
GND on In1.Cu: 171.96,136.24 -13.04,136.24 -13.04,-13.76 171.96,-13.76
GND on In4.Cu: -13.04,136.24 -13.04,-13.76 171.96,-13.76 171.96,136.24
BOOST_SW on Top (solid shape): 145.66,39.84 147.06,39.94 147.06,41.24 145.76,40.84
RAW on Top (solid shape): 145.43,37.51 146.98,37.3 148.88,37.3 149.33,36.8 149.98,35.95 150.83,36.75 151.87,37.59 151.83,38.05 150.43,38.6 145.43,38.6
RAW on In2.Cu (solid shape): 145.43,37.53 146.98,37.33 148.88,37.33 150.16,35.9 150.63,35.92 151.28,37.26 152.38,37.52 152.38,38.12 150.43,38.63 145.43,38.63
RAW on In3.Cu (solid shape): 145.43,37.51 146.98,37.31 148.88,37.31 150.16,35.88 150.63,35.9 151.28,37.24 152.38,37.5 152.38,38.1 150.43,38.61 145.43,38.61
